# Altium PCB ALTIUM_{TEX139}_HV-1PH-DCAC-R3.PcbDoc (part 1 of 3) (continued)
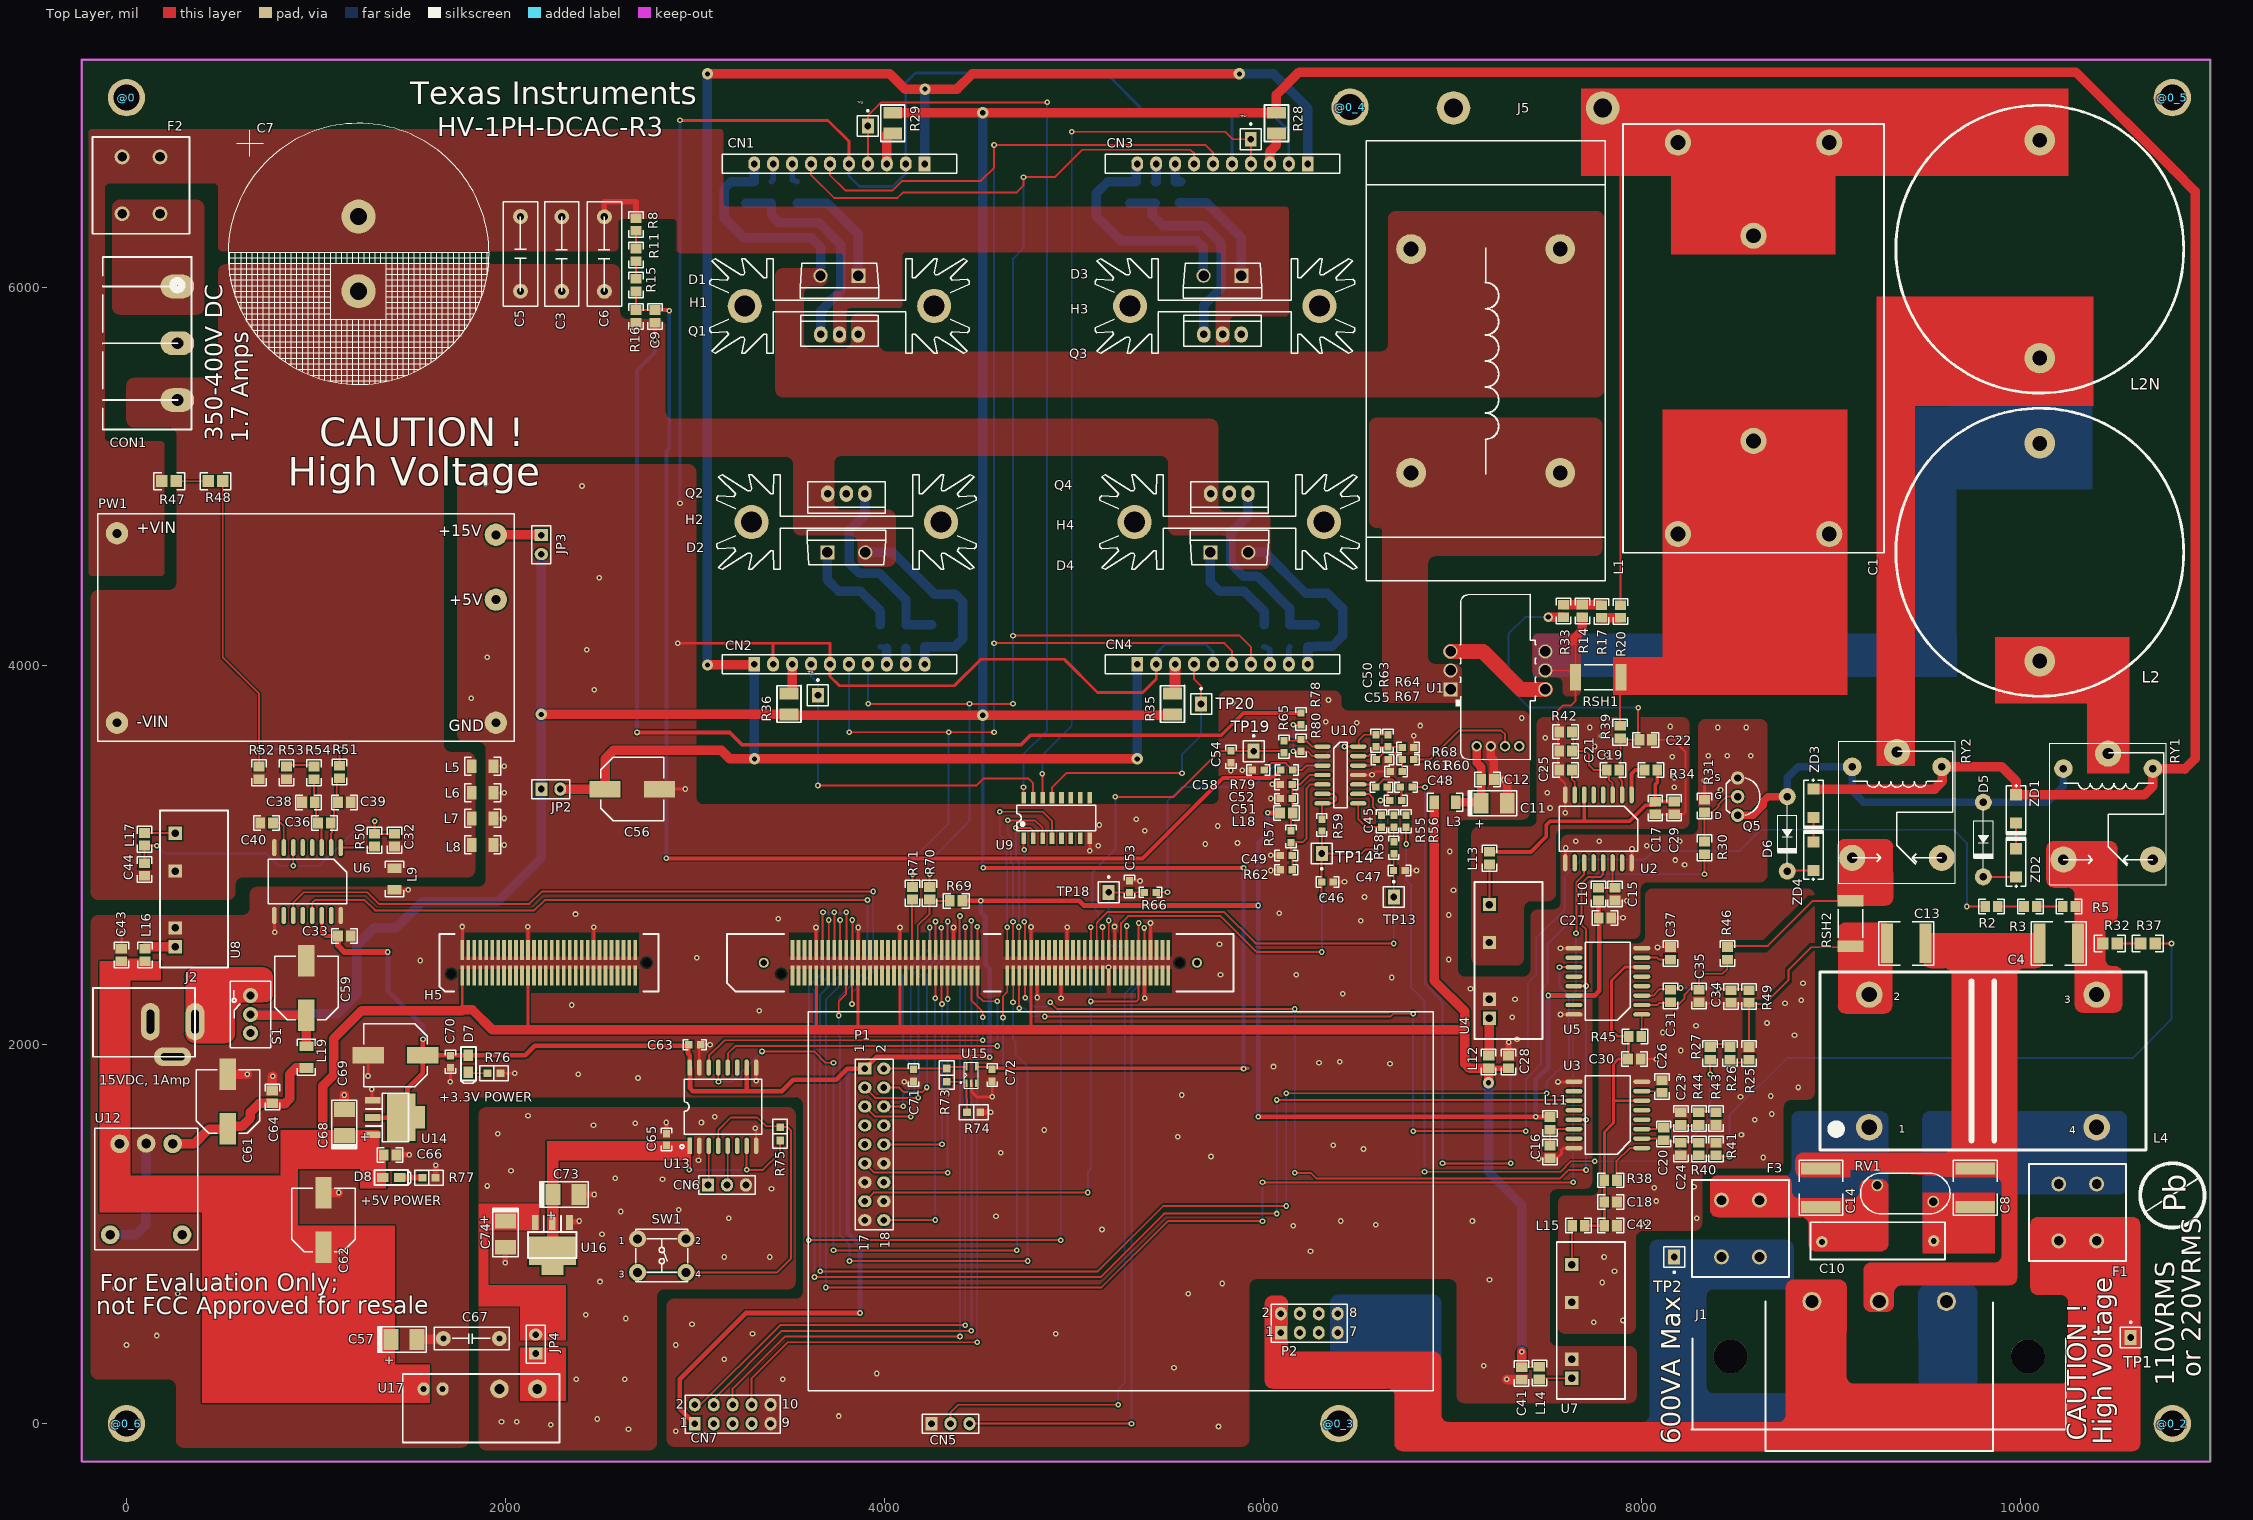
[diagram p0: Top Layer view]
## Design rules (kind name [scope] priority, off if disabled: settings) (continued)
PolygonConnect "Polygon Connect Style - Bottom Layer Square-rect thru-hole pad from global defaults" [IsPad And OnMultiLayer And (PadShape_BottomLayer = 'Rounded Rectangle') And (PadXSize_BottomLayer = PADYSize_BottomLayer) And (Pad_CornerRadius_BottomLayer = '0%') vs Layer = 'Bottom Layer'] p28: connectstyle=Direct reliefconductorwidth=25 reliefentries=4 polygonreliefangle="45 Angle" airgapwidth=10
PolygonConnect "Polygon Connect Style - Top Layer Rect thru-hole pad from global defaults" [IsPad And OnMultiLayer And ((PadShape_TopLayer = 'Rectangular') Or (PadShape_TopLayer = 'Octagonal') Or (PadShape_TopLayer = 'Rounded Rectangle')) And (PadXSize_TopLayer <> PADYSize_TopLayer) vs Layer = 'Top Layer'] p29: connectstyle=Direct reliefconductorwidth=25 reliefentries=4 polygonreliefangle="45 Angle" airgapwidth=10
PolygonConnect "Polygon Connect Style - Top Layer Square-rect thru-hole pad from global defaults" [IsPad And OnMultiLayer And (PadShape_TopLayer = 'Rounded Rectangle') And (PadXSize_TopLayer = PADYSize_TopLayer) And (Pad_CornerRadius_TopLayer = '0%') vs Layer = 'Top Layer'] p30: connectstyle=Direct reliefconductorwidth=25 reliefentries=4 polygonreliefangle="45 Angle" airgapwidth=10
PolygonConnect "Polygon Connect Style - Bottom Layer Oval thru-hole pad from global defaults" [IsPad And OnMultiLayer And (PadShape_BottomLayer = 'Round') And (PadXSize_BottomLayer <> PADYSize_BottomLayer) vs Layer = 'Bottom Layer'] p31: connectstyle=Direct reliefconductorwidth=25 reliefentries=4 polygonreliefangle="45 Angle" airgapwidth=10
PolygonConnect "Polygon Connect Style - Bottom Layer Round-oval thru-hole pad from global defaults" [IsPad And OnMultiLayer And (PadShape_BottomLayer = 'Rounded Rectangle') And (PadXSize_BottomLayer = PADYSize_BottomLayer) And (Pad_CornerRadius_BottomLayer = '100%') vs Layer = 'Bottom Layer'] p32: connectstyle=Direct reliefconductorwidth=25 reliefentries=4 polygonreliefangle="45 Angle" airgapwidth=10
PolygonConnect "Polygon Connect Style - Top Layer Oval thru-hole pad from global defaults" [IsPad And OnMultiLayer And (PadShape_TopLayer = 'Round') And (PadXSize_TopLayer <> PADYSize_TopLayer) vs Layer = 'Top Layer'] p33: connectstyle=Direct reliefconductorwidth=25 reliefentries=4 polygonreliefangle="45 Angle" airgapwidth=10
PolygonConnect "Polygon Connect Style - Top Layer Round-oval thru-hole pad from global defaults" [IsPad And OnMultiLayer And (PadShape_TopLayer = 'Rounded Rectangle') And (PadXSize_TopLayer = PADYSize_TopLayer) And (Pad_CornerRadius_TopLayer = '100%') vs Layer = 'Top Layer'] p34: connectstyle=Direct reliefconductorwidth=25 reliefentries=4 polygonreliefangle="45 Angle" airgapwidth=10
PolygonConnect [All] p35: connectstyle=Relief reliefconductorwidth=10 reliefentries=4 polygonreliefangle="90 Angle" airgapwidth=10
RoutingLayers "'Default' PADS rule_3" [All] p1: top layer_v5=TRUE bottom layer_v5=TRUE
RoutingPriority "'Default' PADS rule_2" [All] p1: routingpriority=0
RoutingTopology "'Default' PADS rule" [All] p1: topology=Shortest
RoutingVias "'Default' PADS rule_4" [All] p1: holewidth=28 width=60 viastyle="Through Hole" minholewidth=28 minwidth=60 maxholewidth=28 maxwidth=60
SMDToCorner "'Default' PADS rule_16" [All] p1: distance=30000
SMDToPlane "'Default' PADS rule_17" [All] p1: distance=100000
SilkToSilkClearance [All] p1: silktosilkclearance=6
SilkToSolderMaskClearance SilkscreenOverComponentPads [IsPad] p1: minsilkscreentomaskgap=6 clearancetoexposedcopper=FALSE
SolderMaskExpansion [All] p1: expansion=3
Width "'Default' PADS rule_13" [All] p1: maxlimit=250 minlimit=6 preferedwidth=10
20 further rules are at their usual default settings.

## Classes and differential pairs
component class Main: C3 C4 C5 C6 C7 C8 C9 C10 C11 C12 C13 C14 C15 C16 C17 C18 C19 C20 C21 C22 C23 C24 C25 C26 C27 C28 C29 C30 C31 C32 C33 C34 C35 C36 C37 C38 C39 C40 C41 C42 C43 C44 CN1 CN2 CN3 CN4 CON1 D1 D2 D3 D4 D5 D6 F1 F2 F3 H1 H2 H3 H4 J1 J5 L1 L2 L2N L3 L4 L5 L6 L7 L8 L9 L10 L11 L12 L13 L14 L15 L16 L17 Q1 Q2 Q3 Q4 Q5 R2 R3 R5 R6 R7 R8 R9 R10 R11 R12 R13 R14 R15 R16 R17 R18 R19 R20 R21 R22 R23 R24 R25 R26 R27 R28 R29 R30 R31 R32 R33 R34 R35 R36 R37 R38 R39 R40 R41 R42 R43 R44 R45 R46 R47 R48 R49 R50 R51 R52 R53 R54 Rsh1 Rsh2 RV1 RY1 RY2 TP1 TP2 U1 U2 U3 U4 U5 U6 U7 U8 ZD1 ZD2 ZD3 ZD4
component class JTAG-USB-POWER: C56 C57 C59 C61 C62 C63 C64 C65 C66 C67 C68 C69 C70 C71 C72 C73 C74 CN6 CN7 D7 D8 J2 JP2 JP3 JP4 L19 P1 P2 PW1 R72 R73 R74 R75 R76 R77 S1 SW1 U12 U13 U14 U15 U16 U17
component class CNTL: C45 C46 C47 C48 C49 C50 C51 C52 C53 C54 C55 C58 CN5 H5 L18 R55 R56 R57 R58 R59 R60 R61 R62 R63 R64 R65 R66 R67 R68 R69 R70 R71 R78 R79 R80 TP13 TP14 TP15 TP16 TP17 TP18 TP19 TP20 U9 U10

## Components (designator, comment, footprint, x,y, rotation, side; value= is the part's Value field where it differs from the comment)
@0 "FPAD_1" FPAD_1 0,7000 r0 top
@0_2 "FPAD_1" FPAD_1 10800,0 r0 top
@0_3 "FPAD_1" FPAD_1 6400,0 r0 top
@0_4 "FPAD_1" FPAD_1 6459,6950 r0 top
@0_5 "FPAD_1" FPAD_1 10800,7000 r0 top
@0_6 "FPAD_1" FPAD_1 0,0 r0 top
C1 "B32924D3475K" ACCAP_HV_DCACBOARD 8189.39,4695.87 r90 top
C3 "1uF/630V" CAP-P10-13X4.5 2297.78,6174.15 r90 top
C4 "GA355QR7GF222KW01L" 2220 10200,2535 r180 top
C5 "0.022u/600V" CAP-P10-13X4.5 2080,6175 r90 top
C6 "1uF/630V" CAP-P10-13X4.5 2522.78,6174.15 r90 top
C7 "470u/450V" CE1035P2 1225,6175 r270 top
C8 "GA355QR7GF222KW01L" 2220 9760,1245 r90 top
C9 "Used in BOM report" 0805 2790,5845 r270 top
C10 "ECQ-U2A472MV" ECQ-U2A472MV 9245,965 r180 top
C11 "10U/16V" CAP-3528 7220,3275 r270 top
C12 "Used in BOM report" 0805 7185,3400 r0 top
C13 "GA355QR7GF222KW01L" 2220 9395,2535 r180 top
C14 "GA355QR7GF222KW01L" 2220 8945,1245 r270 top
C15 "GRM219R71C104KA01D" 0805 7857,2795 r90 top
C16 "GRM219R71C104KA01D" 0805 7515,1435 r90 top
C17 "GRM219R71C104KA01D" 0805 8070,3250 r90 top
C18 "GRM219R71C104KA01D" 0805 7835,1170 r180 top
C19 "08055C331KAT2A" 0805 7847.22,3450.85 r0 top
C20 "08055C331KAT2A" 0805 8115,1530 r270 top
C21 "08055A100JAT2A" 0805 7597.22,3550.85 r180 top
C22 "08055A100JAT2A" 0805 8020,3610 r0 top
C23 "08055A100JAT2A" 0805 8205,1610 r90 top
C24 "08055A100JAT2A" 0805 8205,1450 r270 top
C25 "GRM219R71C104KA01D" 0805 7597.22,3450.85 r0 top
C26 "GRM219R71C104KA01D" 0805 8105,1780 r270 top
C27 "GRM219R71C104KA01D" 0805 7805,2670 r180 top
C28 "TMK212BJ105KG-T" 0805 7295,1910 r90 top
C29 "TMK212BJ105KG-T" 0805 8170,3251 r270 top
C30 "GRM219R71C104KA01D" 0805 7960,1925 r180 top
C31 "08055C331KAT2A" 0805 8151,2257.39 r270 top
C32 "GRM219R71C104KA01D" 0805 1415,3080 r90 top
C33 "GRM219R71C104KA01D" 0805 1150,2575 r180 top
C34 "08055A100JAT2A" 0805 8470,2255 r270 top
C35 "08055A100JAT2A" 0805 8301,2257.39 r270 top
C36 "08055C331KAT2A" 0805 1045,3170 r0 top
C37 "GRM219R71C104KA01D" 0805 8151,2482.39 r270 top
C38 "08055A100JAT2A" 0805 960,3280 r180 top
C39 "08055A100JAT2A" 0805 1150,3280 r0 top
C40 "GRM219R71C104KA01D" 0805 740,3170 r0 top
C41 "TMK212BJ105KG-T" 0805 7365,265 r270 top
C42 "TMK212BJ105KG-T" 0805 7835,1045 r0 top
C43 "TMK212BJ105KG-T" 0805 -27.22,2474.15 r90 top
C44 "TMK212BJ105KG-T" 0805 95,2925 r270 top
C45 "Used in BOM report" 0603 6625,3180 r270 top
C46 "Used in BOM report" 0603 6340,2860 r0 top
C47 "Used in BOM report" 0603 6720,2920 r0 top
C48 "Used in BOM report" 0603 6700,3290 r180 top
C49 "Used in BOM report" 0603 6122.78,2999.15 r180 top
C50 "Used in BOM report" 0603 6595,3605 r90 top
C51 "Used in BOM report" 0603 6122.78,3299.15 r180 top
C52 "Used in BOM report" 0603 6122.78,3374.15 r180 top
C53 "Used in BOM report" 0603 5295,2835 r90 top
C54 "Used in BOM report" 0603 5830,3520 r270 top
C55 "Used in BOM report" 0603 6630,3505 r0 top
C56 "EMVA500ADA101MHA0G" CAPSMT_62_HA0 2670,3350 r0 top
C57 "10U/16V" CAP-3528 1465,445 r270 top
C58 "Used in BOM report" 0603 5975,3450 r180 top
C59 "2R5SVPE330M" CAPSMT_62_HA0 950,2300 r90 top
C61 "EMVA500ADA101MHA0G" CAPSMT_62_HA0 535,1700 r90 top
C62 "EMVA500ADA101MHA0G" CAPSMT_62_HA0 1040,1075 r90 top
C63 "100n SM(0603)" C0603SM 3000,2000 r180 top
C64 "Used in BOM report" 0805 770,1725 r90 top
C65 "100n SM(0603)" C0603SM 2850,1500 r90 top
C66 "Used in BOM report" 0805 1392,1419 r0 top
C67 "0.1uF/100V" C/7.5/3/7.5/R3 1672.78,449.15 r0 top
C68 "10U/16V" CAP-3528 1150,1590 r0 top
C69 "EMVA500ADA101MHA0G" CAPSMT_62_HA0 1420,1945 r180 top
C70 "0.47uF/25V" C0603SM 1710,1910 r90 top
C71 "0.47uF/25V" C0603SM 4155,1840 r90 top
C72 "0.1uF/25V" C0603SM 4570,1840 r90 top
C73 "22U/16V" CAP-3528 2320,1210 r270 top
C74 "10U/16V" CAP-3528 2000,1000 r180 top
CN1 "Value" HDR1X10 4213.78,6650 r180 top
CN2 "Value" HDR1X10 3313.78,4009 r0 top
CN3 "Value" HDR1X10 6235.78,6650 r180 top
CN4 "Value" HDR1X10 5335.78,4009 r0 top
CN5 "SCI_PORT" HDR1X3 4250,0 r0 top
CN6 "SCI_PORT" HDR1X3 3070,1260 r0 top
CN7 "Value" HDR2X5 3000,0 r0 top
CON1 "{Value}" CN3P/7.62 268.78,6003.15 r270 top
D1 "IDH06G65C5" TO-220-2 3763.78,6060 r180 top
D2 "IDH06G65C5" TO-220-2 3800,4599 r0 top
D3 "IDH06G65C5" TO-220-2 5785.78,6060 r180 top
D4 "IDH06G65C5" TO-220-2 5822,4599 r0 top
D5 "1N4937S" D10626A 9802,3083.46 r90 top
D6 "1N4937S" D10626A 8767,3113.46 r90 top
D7 "Value" LED0805 1805,1900 r270 top
D8 "Value" LED0805 1397,1299 r0 top
F1 "VERTICAL_FUSE" VERTICAL_FUSE 10300,1115 r270 top
F2 "VERTICAL_FUSE" VERTICAL_FUSE 77,6537 r90 top
F3 "VERTICAL_FUSE" VERTICAL_FUSE 8520,1030 r270 top
H1 "513201B02500G" HSINK_513201B02500 3763.78,5900 r0 top
H2 "513201B02500G" HSINK_513201B02500 3800,4759 r0 top
H3 "513201B02500G" HSINK_513201B02500 5797.78,5900 r180 top
H4 "513201B02500G" HSINK_513201B02500 5822,4759 r180 top
H5 "HSEC8-130-01-L-DV-A & HSEC8-160-01-L-DV-A-BL" HEADER_HSEC8_180_DV 5500,2500 r180 top
J1 "CONN_AC_HP-TYPE" CONN_AC_HP-TYPE 9252.22,250 r180 top
J2 "Value" DCJACK -177.22,2299.15 r0 top
J5 "Used in BOM report" PWRSHORT 7005,6945 r0 top
JP2 "Jump" HDR1X2 2190,3350 r0 top
JP3 "Jump" HDR1X2 2190,4690 r270 top
JP4 "Jump" HDR1X2 2160,370 r90 top
L1 "3.5mH/T184-8/90" INDUCTOR-57X30 7175,5610 r270 top
L2 "Custom" 1140-471K-RC 10100,4600 r270 top
L2N "Custom" 1140-471K-RC 10100,6200 r270 top
L3 "HI1206N101R-10" 1206 6960,3280 r0 top
L4 "8121-RC" 8121-RC 9800,1915 r0 top
L5 "HI1206N101R-10" 1206 1880,3470 r0 top
L6 "HI1206N101R-10" 1206 1880,3330 r0 top
L7 "HI1206N101R-10" 1206 1880,3195 r0 top
L8 "HI1206N101R-10" 1206 1880,3055 r0 top
L9 "HI1206N101R-10" 1206 1415,2875 r270 top
L10 "LQM21FN220N00L" 0805 7770,2795 r270 top
L11 "LQM21FN220N00L" 0805 7515,1585 r90 top
L12 "LQM21FN220N00L" 0805 7190.78,1910 r90 top
L13 "LQM21FN220N00L" 0805 7195.78,2985 r90 top
L14 "LQM21FN220N00L" 0805 7458,266.54 r270 top
L15 "LQM21FN220N00L" 0805 7665,1045 r0 top
L16 "LQM21FN220N00L" 0805 97.78,2474.15 r90 top
L17 "LQM21FN220N00L" 0805 95,3085 r270 top
L18 "LQM21FN220N00L" 0805 6122.78,3224.15 r0 top
L19 "HI1206N101R-10" 1206 950,1935 r270 top
P1 "Header 9X2" HDR2X9 3897.78,1874.15 r270 top
P2 "Header 4X2" HDR2X4 6093.84,480.45 r0 top
PW1 "Value" PR902A -50,4700 r0 top
Q1 "IGP20N65H5" TO-220 3763.78,5750 r180 top
Q2 "IGP20N65H5" TO-220 3800,4909 r0 top
Q3 "IGP20N65H5" TO-220 5785.78,5750 r180 top
Q4 "IGP20N65H5" TO-220 5822,4909 r0 top
Q5 "2SK2962" FET350R 8505,3310 r0 top
R2 "1MSM1%(0805)" 0805 9845,2730 r180 top
R3 "1MSM1%(0805)" 0805 10050,2730 r0 top
R5 "1MSM1%(0805)" 0805 10255,2730 r180 top
R6 "" 1210 3540,6499 r270 bottom
R7 "" 1210 5565,6499 r270 bottom
R8 "Used in BOM report" 0805 2690,6330 r90 top
R9 "" 1210 3405,6499 r270 bottom
R10 "" 1210 5430,6499 r270 bottom
R11 "Used in BOM report" 0805 2690,6170 r90 top
R12 "" 1210 5295,6499 r270 bottom
R13 "" 1210 3270,6499 r270 bottom
R14 "CRCW08051K62FKEA" 0805 7685,4290.46 r270 top
R15 "Used in BOM report" 0805 2690,6010 r90 top
R16 "Used in BOM report" 0805 2690,5845 r90 top
R17 "CRCW08051M00FKEA" 0805 7787,4287.46 r270 top
R18 "" 1210 3980,4159 r90 bottom
R19 "" 1210 6005,4159 r90 bottom
R20 "CRCW08051M00FKEA" 0805 7886,4287.46 r90 top
R21 "" 1210 4115,4159 r90 bottom
R22 "" 1210 6140,4159 r90 bottom
R23 "" 1210 4250,4159 r90 bottom
R24 "" 1210 6275,4159 r90 bottom
R25 "1MSM1%(0805)" 0805 8565,1955 r270 top
R26 "1MSM1%(0805)" 0805 8465,1955 r270 top
R27 "1MSM1%(0805)" 0805 8360,1955 r270 top
R28 "1.33KSM/0.5W" R/1210 6070,6865 r270 top
R29 "1.33KSM/0.5W" R/1210 4045,6865 r270 top
R30 "150OHMSM(0805)F" 0805 8330,3040 r90 top
R31 "3KSM*(0805)F" 0805 8330,3260 r90 top
R32 "CRCW08051M00FKEA" 0805M 10470,2535 r0 top
R33 "CRCW080512R0JNEA" 0805 7585,4290 r270 top
R34 "RC0805JR-071R1L" 0805 8047.22,3450.85 r180 top
R35 "1.33KSM/0.5W" R/1210 5522.78,3799.15 r90 top
R36 "1.33KSM/0.5W" R/1210 3497.78,3799.15 r90 top
R37 "CRCW08051M00FKEA" 0805M 10670,2535 r180 top
R38 "RC0805JR-071R1L" 0805 7835,1285 r0 top
R39 "CRCW080512R0JNEA" 0805 7885,3650 r270 top
R40 "CRCW080512R0JNEA" 0805 8300,1450 r90 top
R41 "CRCW08051K62FKEA" 0805 8390,1450 r270 top
R42 "CRCW080512R0JNEA" 0805 7597.22,3650.85 r0 top
R43 "CRCW08051K62FKEA" 0805 8390,1610 r270 top
R44 "CRCW080512R0JNEA" 0805 8300,1610 r270 top
R45 "RC0805JR-071R1L" 0805 7962.97,2044 r0 top
R46 "CRCW080512R0JNEA" 0805 8451,2482.39 r270 top
R47 "CRCW08051M00FKEA" 0805M 225,4975 r0 top
R48 "CRCW08051M00FKEA" 0805M 470,4975 r180 top
R49 "CRCW080512R0JNEA" 0805 8565,2255 r90 top
R50 "RC0805JR-071R1L" 0805 1310,3080 r270 top
R51 "CRCW080512R0JNEA" 0805 1125,3440 r270 top
R52 "CRCW08051K62FKEA" 0805 700,3436 r90 top
R53 "CRCW08051K62FKEA" 0805 845,3436 r270 top
R54 "CRCW080512R0JNEA" 0805 990,3436 r270 top
R55 "Used in BOM report" 0603 6690,3180 r270 top
R56 "Used in BOM report" 0603 6755,3180 r90 top
R57 "Used in BOM report" 0603 6147.78,3099.15 r90 top
R58 "Used in BOM report" 0603 6690,3040 r270 top
R59 "Used in BOM report" 0603 6310,3160 r90 top
R60 "Used in BOM report" 0603 6755,3360 r180 top
R61 "Used in BOM report" 0603 6625,3360 r180 top
R62 "Used in BOM report" 0603 6122.78,2924.15 r0 top
R63 "Used in BOM report" 0603 6660,3605 r90 top
R64 "Used in BOM report" 0603 6765,3570 r180 top
R65 "Used in BOM report" 0603 6109.78,3573.3 r270 top
R66 "Used in BOM report" 0603 5405,2805 r180 top
R67 "Used in BOM report" 0603 6765,3505 r180 top
R68 "Used in BOM report" 0603 6702.01,3442.01 r0 top
R69 "RC0805JR-071R1L" 0805 4380,2760 r0 top
R70 "RC0805JR-071R1L" 0805 4240,2800 r270 top
R71 "RC0805JR-071R1L" 0805 4150,2800 r270 top
R72 "330ohm(0805)" R0805BSM 102,1234 r270 bottom
R73 "270KSM(0603)" R0603SM 4330,1840 r270 top
R74 "30KSM1%(0603)" R0603SM 4472,1644 r180 top
R75 "10KSM(0603)" R0603SM 3450,1530 r90 top
R76 "1.2KSM(0603)" R0603SM 1940,1850 r0 top
R77 "1.5KSM(0603)" R0603SM 1597,1299 r0 top
R78 "Used in BOM report" 0603 6200,3720 r270 top
R79 "Used in BOM report" 0603 6125,3450 r180 top
R80 "Used in BOM report" 0603 6200,3580 r90 top
RSH1 "73M1R010F" 2512M 7770,3940 r180 top
RSH2 "73M1R010F" 2512M 9100,2640 r90 top
RV1 "S10K275E2" VAR_S10K275E2 9390,1215 r0 top
RY1 "Value" RELAY-G5LA-1 10461,3218 r180 top
RY2 "Value" RELAY-G5LA-1 9346,3227 r180 top
S1 "Value" SW-3P8X5 655,2160 r270 top
SW1 "{Value}" KRS640 2826.22,916.85 r0 top
TP1 "LINE.L" PIN1 10580,455 r0 top
TP2 "LINE.N" PIN1 8170,880 r180 top
TP13 "LINE.V" PIN1 6690,2780 r0 top
TP14 "1.65V_REF" PIN1 6310,3010 r180 top
TP15 "Q1.PWM" PIN1 3913.78,6850 r0 top
TP16 "Q2.PWM" PIN1 3650,3845 r0 top
TP17 "Q3.PWM" PIN1 5935,6780 r0 top
TP18 "I.inv" PIN1 5185,2805 r0 top
TP19 "BUS.V" PIN1 5950,3550 r0 top
TP20 "Q4.PWM" PIN1 5672.78,3799.15 r0 top
U1 "LTSR 6-NP" LTSR6-NP 7220,3905 r90 top
U2 "AMC1204DW" DW0016A_N 7770,3140 r270 top
U3 "AMC1204DW" DW0016A_N 7820,1630 r180 top
U4 "DCH010505SN7" EDJ-4P 7195,2140 r90 top
U5 "AMC1204DW" DW0016A_N 7820,2335 r180 top
U6 "AMC1204DW" DW0016A_N 955.57,2861.48 r270 top
U7 "DCH010505SN7" EDJ-4P 7630,240 r90 top
U8 "DCH010505SN7" EDJ-4P 257,2517 r90 top
U9 "ULN2003" 2003SM 4910.78,3195 r0 top
U10 "OPA4350UA" D0014A_N 6408,3424.15 r0 top
U12 "Value" PTH08080 103.78,1238.15 r270 top
U13 "Value" IC-SOIC16P-1.27DW 3148.78,1673.15 r90 top
U14 "TLV1117-33" SOT-223-3P/2 1295,1705 r270 top
U15 "TPS71501DCKR" SOT5-DCK(SC-70) 4460,1840 r0 top
U16 "TLV1117-33" SOT-223-3P/2 2337,1066.85 r180 top
U17 "Value" DCH010505 1568.78,183.15 r0 top
ZD1 "15VCSM/22131" ZD123BSM 9975,3245 r90 top
ZD2 "15VCSM/22131" ZD123BSM 9975,2960 r270 top
ZD3 "15VCSM/22131" ZD123BSM 8905,3275 r90 top
ZD4 "15VCSM/22131" ZD123BSM 8905,2995 r270 top

## Footprints (in the part's own frame and the unit in brackets; to place one, negate y for a bottom-side part, rotate by r counter-clockwise, add the part's x,y. Pads: shape width x height; smd on the part's side, far side on the other; paste and mask are expansions set on the pad)
0603 [mm] "0603 from SM-752 data"
  rect 1x0.95 smd: 1(-0.8,0) 2(0.8,0)
  silkscreen extent -1.52,-0.69 1.52,0.69, body extent -0.87,-0.47 0.87,0.47, height 0.85
0805 [mm] "0805 from SM-752 data"
  rect 1.3x1.5 smd: 1(-0.85,0) 2(0.85,0)
  silkscreen extent -1.72,-0.97 1.72,0.97, body extent -1.1,-0.72 1.1,0.72, height 1.1
0805M [mm] "0805 from SM-752 data"
  rect 1.55x1.6 smd: 1(-0.975,0) 2(0.975,0)
  silkscreen extent -2.07,-1.12 2.07,1.12, body extent -1.1,-0.72 1.1,0.72, height 1.1
1140-471K-RC [mm]
  round 4.1 hole 2: 1(-14.605,0) 2(14.605,0)
  silkscreen extent -19.3,-19.3 19.3,19.3
1206 [mm] "1206 from SM-752 data"
  rect 1.3x1.85 smd: 1(-1.45,0) 2(1.45,0)
  silkscreen extent -2.4,-1.21 2.4,1.21, body extent -1.7,-0.9 1.7,0.9, height 1.35
1210 [mm] "1210 from SM-752 data"
  rect 1.3x2.7 smd: 1(-1.45,0) 2(1.45,0)
  silkscreen extent -2.32,-1.57 2.32,1.57, body extent -1.7,-1.35 1.7,1.35, height 1.35
2003SM [mm]
  rect 0.61x1.53 smd: 1(-4.445,-2.665) 2(-3.175,-2.665) 3(-1.905,-2.665) 4(-0.635,-2.665) 5(0.635,-2.665) 6(1.905,-2.665) 7(3.175,-2.665) 8(4.445,-2.665) 9(4.445,2.795) 10(3.175,2.795) 11(1.905,2.795) 12(0.635,2.795) 13(-0.635,2.795) 14(-1.905,2.795) 15(-3.175,2.795) 16(-4.445,2.795)
  silkscreen extent -5.33,-1.65 5.21,1.78
2220 [mm] "Chip Capacitor, Body 5.7x5.0mm, IPC Medium Density"
  rect 1.6x5.3 smd: 1(-2.6,0) 2(2.6,0)
  silkscreen extent -3.69,-2.94 3.69,2.94, body extent -2.95,-2.62 2.95,2.62, height 1.35
2512M [mm] "Chip Resistor, Body 6.3x3.2mm, IPC Low Density"
  rect 1.5x3.5 smd: 1(-3.05,0) 2(3.05,0)
  silkscreen extent -1.9,-1.65 1.9,1.65, body extent -3.22,-1.67 3.22,1.67, height 0.71
8121-RC [mil]
  round 140 hole 80: 1(-600,-350) 2(-600,350) 3(600,350) 4(600,-350)
  silkscreen extent -860,-470 860,470
ACCAP_HV_DCACBOARD [mm]
  round 3.5 hole 2: 1(0,0) 1/2(0,-20.3) 1/3(12.5,-10.15) 2(52.5,0) 2/2(52.5,-20.3) 2/3(40,-10.15)
  silkscreen extent -2.5,-27.65 55,7.35
C0603SM [mm] "0603 from SM-752 data"
  rect 1x0.95 smd: 1(-0.8,0) 2(0.8,0)
  silkscreen extent -1.52,-0.69 1.52,0.69, body extent -0.87,-0.47 0.87,0.47, height 0.85
C/7.5/3/7.5/R3 [mm]
  round 2 hole 0.8: 1(0,0) 2(7.5,0)
  silkscreen extent -1.2,-1.5 8.83,1.5
CAP-3528 [mm]
  rect 2.8x2 smd: 1(0,-1.75) 2(0,1.75)
  silkscreen extent -1.7,-3.5 1.7,3
CAP-P10-13X4.5 [mm]
  round 2 hole 1: 1(-5,0) 2(5,0)
  silkscreen extent -7,-2.3 7,2.3
CAPSMT_62_HA0 [mm] "8 x 10mm:  Chemi-Con HA0"
  rect 4.2x2.2 smd: 1(-3.65,0) 2(3.65,0)
  silkscreen extent -4.25,-4.25 4.25,4.25, body extent -4.25,-4.25 4.25,4.25, height 10.5
CE1035P2 [mil]
  round 180 hole 90.55: 1(-196.85,0) 2(196.85,0)
  silkscreen extent -689,-689 689,689
CN3P/7.62 [mm]
  oval 3.2x4.5 hole 1.6: 1(0,0) 2(7.62,0) 3(15.24,0)
  silkscreen extent -3.95,-10 19.19,1.9
CONN_AC_HP-TYPE [mil]
  round 100 hole 70: 1(355,-395) 2(-355,-395) 3(0,-395)
  round 180 hole 180 unplated: 4(-785,-105) 5(785,-105)
  silkscreen extent -985,-395 990,395
D0014A_N [mm] "SOIC, 14-Leads, Body 8.7x3.9mm, Pitch 1.27mm, IPC Medium Density"
  oval 2.2x0.6 smd: 1(-2.4,3.81) 2(-2.4,2.54) 3(-2.4,1.27) 4(-2.4,0) 5(-2.4,-1.27) 6(-2.4,-2.54) 7(-2.4,-3.81) 8(2.4,-3.81) 9(2.4,-2.54) 10(2.4,-1.27) 11(2.4,0) 12(2.4,1.27) 13(2.4,2.54) 14(2.4,3.81)
  silkscreen extent -0.9,-4.4 0.9,4.4, body extent -3.02,-4.32 3.02,4.32, height 1.59
D10626A [mil]
  round 90 hole 39.37: 1(196.85,0) 2(-196.85,0)
  silkscreen extent -157,-51 157,51
DCH010505 [mm]
  oval 1.6x1.8 hole 0.8: 1(0,0) 2(2.54,0)
  round 2.5 hole 1.3: 5(10.16,0) 7(15.24,0)
  silkscreen extent -2.8,-7.2 18.2,2
DCJACK [mm]
  oval 2.5x5 hole 1 slot 3.2 at 90 deg: 1(13.7,-4.5) 2(7.7,-4.5)
  oval 5x2.5 hole 1 slot 3.2 at 0 deg: 3(10.697,-9.2)
  silkscreen extent 0,-9.2 13.7,0
DW0016A_N [mm] "SOIC, 16-Leads, Body 10.3x7.5mm, Pitch 1.27mm, IPC Medium Density"
  oval 2.3x0.6 smd: 1(-4.55,4.445) 2(-4.55,3.175) 3(-4.55,1.905) 4(-4.55,0.635) 5(-4.55,-0.635) 6(-4.55,-1.905) 7(-4.55,-3.175) 8(-4.55,-4.445) 9(4.55,-4.445) 10(4.55,-3.175) 11(4.55,-1.905) 12(4.55,-0.635) 13(4.55,0.635) 14(4.55,1.905) 15(4.55,3.175) 16(4.55,4.445)
  silkscreen extent -3,-5.25 3,5.25, body extent -5.14,-5.13 5.14,5.13, height 2.5
ECQ-U2A472MV [mil]
  round 60 hole 31.5: 1(-295.28,0) 2(295.28,5)
  silkscreen extent -354,-98 354,98
EDJ-4P [mm]
  rect 1.78x1.78 hole 1: 1(0,0) 2(2.54,0) 5(10.16,0) 7(15.24,0)
  silkscreen extent -2.79,-7.11 18.29,2.03
FET350R [mm]
  round 1.803 hole 1: 1(0,2.5) 2(0,-2.5) 3(0,0)
  silkscreen extent -1.5,-2.5 3,2.5
FPAD_1 [mm]
  round 5 hole 3.5: 1(0,0)
HDR1X2 [mm]
  rect 1.6x1.8 hole 0.9: 1(0,0)
  oval 1.6x1.8 hole 0.9: 2(2.54,0)
  silkscreen extent -1.27,-1.27 3.81,1.27
HDR1X3 [mm]
  rect 1.6x1.8 hole 0.9: 1(0,0)
  oval 1.6x1.8 hole 0.9: 2(2.54,0) 3(5.08,0)
  silkscreen extent -1.27,-1.27 6.35,1.27
HDR1X10 [mm]
  rect 1.6x2 hole 0.9: 1(0,0)
  oval 1.6x2 hole 0.9: 2(2.54,0) 3(5.08,0) 4(7.62,0) 5(10.16,0) 6(12.7,0) 7(15.24,0) 8(17.78,0) 9(20.32,0) 10(22.86,0)
  silkscreen extent -4.27,-1.27 27.13,1.27
HDR2X4 [mm]
  rect 1.6x1.8 hole 0.9: 1(0,0)
  oval 1.6x1.8 hole 0.9: 2(0,2.54) 3(2.54,0) 4(2.54,2.54) 5(5.08,0) 6(5.08,2.54) 7(7.62,0) 8(7.62,2.54)
  silkscreen extent -1.27,-1.27 8.89,3.81
HDR2X5 [mm]
  rect 1.6x1.8 hole 0.9: 1(0,0)
  oval 1.6x1.8 hole 0.9: 2(0,2.54) 3(2.54,0) 4(2.54,2.54) 5(5.08,0) 6(5.08,2.54) 7(7.62,0) 8(7.62,2.54) 9(10.16,0) 10(10.16,2.54)
  silkscreen extent -1.27,-1.27 11.43,3.81
HDR2X9 [mm]
  rect 1.6x1.8 hole 0.9: 1(0,0)
  oval 1.6x1.8 hole 0.9: 2(0,2.54) 3(2.54,0) 4(2.54,2.54) 5(5.08,0) 6(5.08,2.54) 7(7.62,0) 8(7.62,2.54) 9(10.16,0) 10(10.16,2.54) 11(12.7,0) 12(12.7,2.54) 13(15.24,0) 14(15.24,2.54) 15(17.78,0) 16(17.78,2.54) 17(20.32,0) 18(20.32,2.54)
  silkscreen extent -1.27,-1.27 21.59,3.81
HEADER_HSEC8_180_DV [mm]
  rect 0.5x2.724 smd mask+0.076: 1(0,0) 2(0,3.4) 3(0.8,0) 4(0.8,3.4) 5(1.6,0) 6(1.6,3.4) 7(2.4,0) 8(2.4,3.4) 9(3.2,0) 10(3.2,3.4) 11(4,0) 12(4,3.4) 13(4.8,0) 14(4.8,3.4) 15(5.6,0) 16(5.6,3.4) 17(6.4,0) 18(6.4,3.4) 19(7.2,0) 20(7.2,3.4) 21(8,0) 22(8,3.4) 23(8.8,0) 24(8.8,3.4) 25(9.6,0) 26(9.6,3.4) 27(10.4,0) 28(10.4,3.4) 29(11.2,0) 30(11.2,3.4) 31(12,0) 32(12,3.4) 33(12.8,0) 34(12.8,3.4) 35(13.6,0) 36(13.6,3.4) 37(14.4,0) 38(14.4,3.4) 39(15.2,0) 40(15.2,3.4) 41(16,0) 42(16,3.4) 43(16.8,0) 44(16.8,3.4) 45(17.6,0) 46(17.6,3.4) 47(18.4,0) 48(18.4,3.4) 49(19.2,0) 50(19.2,3.4) 51(20,0) 52(20,3.4) 53(20.8,0) 54(20.8,3.4) 55(21.6,0) 56(21.6,3.4) 57(25.6,0) 58(25.6,3.4) 59(26.4,0) 60(26.4,3.4) 61(27.2,0) 62(27.2,3.4) 63(28,0) 64(28,3.4) 65(28.8,0) 66(28.8,3.4) 67(29.6,0) 68(29.6,3.4) 69(30.4,0) 70(30.4,3.4) 71(31.2,0) 72(31.2,3.4) 73(32,0) 74(32,3.4) 75(32.8,0) 76(32.8,3.4) 77(33.6,0) 78(33.6,3.4) 79(34.4,0) 80(34.4,3.4) 81(35.2,0) 82(35.2,3.4) 83(36,0) 84(36,3.4) 85(36.8,0) 86(36.8,3.4) 87(37.6,0) 88(37.6,3.4) 89(38.4,0) 90(38.4,3.4) 91(39.2,0) 92(39.2,3.4) 93(40,0) 94(40,3.4) 95(40.8,0) 96(40.8,3.4) 97(41.6,0) 98(41.6,3.4) 99(42.4,0) 100(42.4,3.4) 101(43.2,0) 102(43.2,3.4) 103(44,0) 104(44,3.4) 105(44.8,0) 106(44.8,3.4) 107(45.6,0) 108(45.6,3.4) 109(46.4,0) 110(46.4,3.4) 111(47.2,0) 112(47.2,3.4) 113(48,0) 114(48,3.4) 115(48.8,0) 116(48.8,3.4) 117(49.6,0) 118(49.6,3.4) 119(50.4,0) 120(50.4,3.4) 121(71.468,0) 122(71.468,3.4) 123(72.268,0) 124(72.268,3.4) 125(73.068,0) 126(73.068,3.4) 127(73.868,0) 128(73.868,3.4) 129(74.668,0) 130(74.668,3.4) 131(75.468,0) 132(75.468,3.4) 133(76.268,0) 134(76.268,3.4) 135(77.068,0) 136(77.068,3.4) 137(77.868,0) 138(77.868,3.4) 139(78.668,0) 140(78.668,3.4) 141(79.468,0) 142(79.468,3.4) 143(80.268,0) 144(80.268,3.4) 145(81.068,0) 146(81.068,3.4) 147(81.868,0) 148(81.868,3.4) 149(82.668,0) 150(82.668,3.4) 151(83.468,0) 152(83.468,3.4) 153(84.268,0) 154(84.268,3.4) 155(85.068,0) 156(85.068,3.4) 157(85.868,0) 158(85.868,3.4) 159(86.668,0) 160(86.668,3.4) 161(87.468,0) 162(87.468,3.4) 163(88.268,0) 164(88.268,3.4) 165(89.068,0) 166(89.068,3.4) 167(89.868,0) 168(89.868,3.4) 169(90.668,0) 170(90.668,3.4) 171(91.468,0) 172(91.468,3.4) 173(92.268,0) 174(92.268,3.4) 175(93.068,0) 176(93.068,3.4) 177(93.868,0) 178(93.868,3.4) 179(94.668,0) 180(94.668,3.4)
  round 0.025 hole 1.27 unplated mask+0.876: 181(-1.5,1.7) 182(51.9,3.2) 183(69.968,1.7) 184(96.168,3.2)
  round 1.348 hole 0.84: 185(-3.85,1.7) 186(54.25,1.7)
  silkscreen extent -8.76,-2.18 97.75,5.58
HSINK_513201B02500 [mil] "Aavid"
  round 180 hole 110.24: 0(-500,0) 0(500,0)
  silkscreen extent -685,-250 685,250, body extent -685,-250 685,250, height 2000
IC-SOIC16P-1.27DW [mm]
  rect 2.2x0.6 smd: 1(-5.25,4.445)
  oval 2.2x0.6 smd: 2(-5.25,3.175) 3(-5.25,1.905) 4(-5.25,0.635) 5(-5.25,-0.635) 6(-5.25,-1.905) 7(-5.25,-3.175) 8(-5.25,-4.445) 9(5.25,-4.445) 10(5.25,-3.175) 11(5.25,-1.905) 12(5.25,-0.635) 13(5.25,0.635) 14(5.25,1.905) 15(5.25,3.175) 16(5.25,4.445)
  silkscreen extent -5.6,-5.2 3.7,5.75
INDUCTOR-57X30 [mm]
  round 4 hole 2: 1(-15,-10) 1/2(-15,10) 2(15,-10) 2/2(15,10)
  silkscreen extent -29.5,-16 29.5,16
KRS640 [mm]
  round 2.286 hole 1.2: 1(-3.25,1.5) 2(3.25,1.5) 3(-3.25,-3) 4(3.25,-3)
  silkscreen extent -3.5,-4.25 3.5,2.75
LED0805 [mm]
  rect 1.55x1.25 smd: 1(-1.15,0) 2(1.15,0)
  silkscreen extent -2.25,-1 2.65,1
LTSR6-NP [mm] "TH, 10-Leads, Body 10x22.2mm"
  rect 1.9x1.9 hole 1.4: 1(-0.73,5.85)
  round 1.9 hole 1.4: 2(1.81,5.85) 3(4.35,5.85) 4(4.35,-6.85) 5(1.81,-6.85) 6(-0.73,-6.85)
  round 1.4 hole 0.9: 7(-8.35,2.358) 8(-8.35,0.453) 9(-8.35,-1.452) 10(-8.35,-3.357)
  silkscreen extent -10.19,-5.65 12.01,5.2, body extent -10.19,-7.25 12.01,6.25, height 24
PIN1 [mm]
  rect 1.6x2 hole 0.9: 1(0,0)
  silkscreen extent -1.4,-1.4 1.4,2.17
PR902A [mm]
  round 3 hole 1.2: 1(0,0) 2(0,-25.4) 5(50.8,-0.2) 6(50.8,-8.89) 7(50.8,-25.4)
  silkscreen extent -2.6,-27.88 53.28,2.6
PTH08080 [mm]
  round 2.5 hole 1.3: 1(-6.07,3.56) 2(-6.12,0) 3(-6.07,-3.56) 4(6.12,-4.825) 5(6.12,4.825)
  silkscreen extent -8.15,-6.9 8.15,6.9
PWRSHORT [mm]
  round 4.5 hole 2.5: 1(0,0) 2(20,0)
R0603SM [mm]
  rect 1.05x1 smd: 1(-0.89,0) 2(0.89,0)
  silkscreen extent -1.93,-1 1.93,1
R0805BSM [mm]
  rect 1.35x1.4 smd: 1(-1.225,0) 2(1.225,0)
  Top Layer lines w0.254: 0,0.7 0,-0.7
  silkscreen extent -2.4,-1.2 2.4,1.2
R/1210 [mm]
  rect 1.6x2.54 smd: 1(1.4,0) 2(-1.4,0)
  silkscreen extent -2.45,-1.61 2.45,1.61
RELAY-G5LA-1 [mm]
  round 2.5 hole 1: 1(-6,-6.1) 2(6,-6.1)
  round 3.5 hole 1.5: 3(0,-8.1)
  round 3.5 hole 1.4: 4(-6,6.1) 5(6,6.1)
  silkscreen extent -7.8,-9.5 7.8,9.5
SOT5-DCK(SC-70) [mm]
  rect 0.3x1 smd: 1(-0.65,-1.1) 2(0,-1.1) 3(0.65,-1.1) 4(0.65,1.1) 5(-0.65,1.1)
  silkscreen extent -1.45,-1.75 0.95,1.75
SOT-223-3P/2 [mil]
  rect 35x80 smd: 1(-2,5.08) 2(89,5.08) 3(180,5.08)
  rect 250x150 smd: 4(88,155.08)
  rect 118x100 smd: 4/2(88.14,230.92)
  silkscreen extent -39,-30 217,193
SW-3P8X5 [mil]
  round 80 hole 43: 1(-100,0) 2(0,0) 3(98.43,0)
  silkscreen extent -175,-106 175,106
TO-220 [mm]
  oval 1.8x2.2 hole 1: 1(2.495,0.009) 2(-0.005,0.009) 3(-2.505,0.009)
  silkscreen extent -5.2,-2.59 5.2,1.61
TO-220-2 [mm] "CREE"
  rect 1.9x1.9 hole 1.4: 1(-2.54,0)
  round 1.9 hole 1.4: 2(2.54,0)
  silkscreen extent -5.25,-1.64 5.26,3.01, body extent -5.21,-1.57 5.21,3.12, height 19.47
VAR_S10K275E2 [mm] "EPCOS"
  round 1.6 hole 1.1: 1(-3.75,1.1) 2(3.75,-1.1)
  silkscreen extent -6,-2.7 6,2.7, body extent -5.98,-2.7 5.98,2.7, height 14.99
VERTICAL_FUSE [mm]
  round 2 hole 1.3: 1(-3.81,2.54) 2(-3.81,-2.54) 3(3.81,2.54) 4(3.81,-2.54)
  silkscreen extent -6.5,-6.5 6.5,6.5
ZD123BSM [mm]
  rect 1.5x1.6 smd: 1(1.9,0) 2(-1.9,0)
  silkscreen extent -3.5,-1.3 3.3,1.3